# Altium PCB 主控板20160428.PcbDoc (part 3 of 4)
Units mm, origin at the board's own origin, x right, y up, seen from the top; angles counter-clockwise.
Board outline 105 x 80 mm, 4 copper layers (Top Layer, GND, VCC, Bottom Layer); 128 components, 190 nets, 667 pads, 283 vias.
Unrouted connection lines stored in the file: 2.
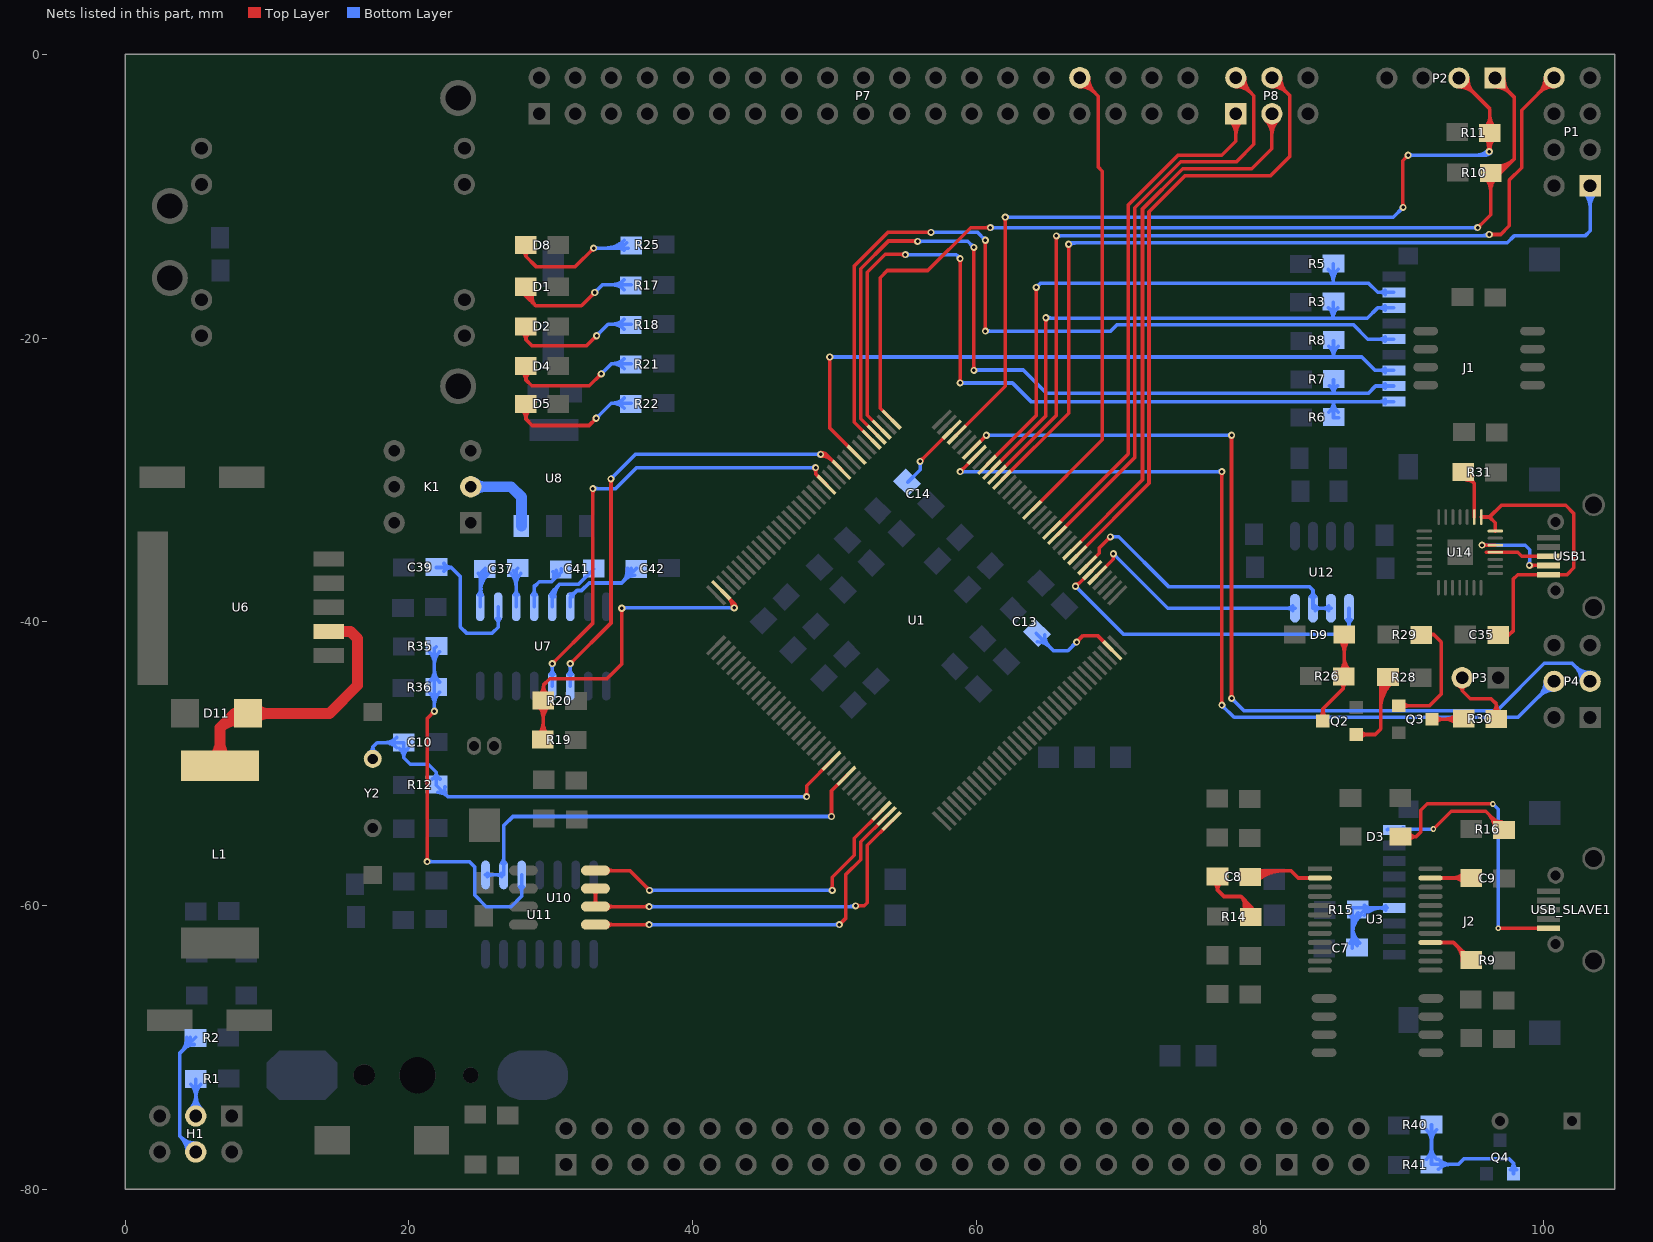
[diagram p5: the nets of this part, all layers, seen from the top]

## Via types
v1: diameter 0.5, hole 0.25, Top Layer to Bottom Layer, 178 vias
v2: diameter 0.6, hole 0.3, Top Layer to Bottom Layer, 54 vias
v3: diameter 1.27, hole 0.711, Top Layer to Bottom Layer, 20 vias
v4: diameter 0.8, hole 0.4, Top Layer to Bottom Layer, 14 vias
v5: diameter 0.406, hole 0.203, Top Layer to Bottom Layer, 12 vias
v6: diameter 1.2, hole 0.6, Top Layer to Bottom Layer, 3 vias
v7: diameter 0.5, hole 0.305, Top Layer to Bottom Layer, 1 vias
v8: diameter 1.5, hole 1, Top Layer to Bottom Layer, 1 vias

## Nets (pads, with @x,y where several pads share a name; then routed paths per layer and width w, separated by ;. In a path a pad name is that pad's centre, name@x,y a point inside that pad or via, vN(x,y) a via of type N, cw(c..) or ccw(c..) an arc to the next point about the centre after c; other vN are vias at no path point) (continued)
NetC7_1: C7.1 J2.4 R15.1 | length 14.9
  Bottom Layer w0.254: C7.1@86.306,-62.658 ccw(c85.868,-62.22) 86.487,-62.22 ; R15.1@86.356,-60.684 cw(c86.041,-61) 86.487,-61 ; C7.1@86.487,-62.992 86.487,-60.198 86.521,-60.164 J2.4@88.941,-60.164 ; 86.487,-62.103 cw(c88.494,-62.103) R15.1@87.075,-60.684 ; 86.487,-61.975 ccw(c87.707,-61.975) C7.1@86.844,-62.838 ; 86.487,-61.49 cw(c87.881,-61.49) R15.1@86.895,-60.505 ; 86.487,-61.362 ccw(c88.32,-61.362) C7.1@87.024,-62.658 ; R15.1@87.149,-60.505 cw(c87.971,-61.327) 87.971,-60.164 ; R15.1@87.329,-60.684 cw(c88.585,-61.94) 88.585,-60.164 ; R15.1@87.329,-59.966 ccw(c87.807,-59.487) 87.807,-60.164 ; J2.4@88.841,-60.322 ccw(c88.461,-60.702) 88.461,-60.164 ccw(c88.461,-59.626) J2.4@88.841,-60.006
NetC8_1: C8.1 U3.2 | length 9.8
  Top Layer w0.254: C8.1@79.273,-57.937 79.654,-57.556 82.183,-57.556 82.68,-58.054 U3.2@84.201,-58.054 ; C8.1@79.4,-57.937 cw(c80.32,-58.857) 80.32,-57.556 ; C8.1@79.58,-58.117 cw(c80.933,-59.47) 80.933,-57.556 ; C8.1@79.76,-58.297 cw(c81.547,-60.084) 81.547,-57.556
NetC8_2: C8.2 R14.1 | length 10.8
  Top Layer w0.254: C8.2@76.7,-58.356 cw(c76.325,-58.903) 76.987,-58.903 ; C8.2@76.987,-57.937 76.987,-58.903 ; C8.2@77.275,-58.356 ccw(c77.65,-58.903) 76.987,-58.903 ; R14.1@78.749,-60.475 ccw(c78.013,-59.985) 78.638,-59.36 ; 78.858,-59.579 cw(c78.276,-60.16) R14.1@78.96,-60.616 ; 79.077,-59.798 cw(c78.539,-60.335) R14.1@79.172,-60.757 ; R14.1@79.118,-60.282 ccw(c79.019,-60.02) 79.299,-60.02 ; 79.296,-60.017 cw(c78.802,-60.511) R14.1@79.383,-60.898 ; R14.1@79.299,-60.757 79.299,-60.02 ; R14.1@79.479,-60.282 cw(c79.579,-60.02) 79.299,-60.02 ; 76.987,-58.903 77.445,-59.36 78.638,-59.36 ; 78.638,-59.36 79.299,-60.02
NetC9_2: C9.2 U3.23 | length 5.3
  Top Layer w0.254: U3.23@92.001,-58.054 C9.2@94.854,-58.054 ; 93.479,-58.054 ccw(c93.479,-56.776) C9.2@94.383,-57.68 ; 93.552,-58.054 cw(c93.552,-59.229) C9.2@94.383,-58.398 ; 94.093,-58.054 ccw(c94.093,-57.39) C9.2@94.562,-57.859
NetC10_2: C10.2 R12.1 U1.24 Y2.1 | length 45.5
  Top Layer w0.254: v1@47.944,-52.237 ccw(c47.734,-52.027) 48.031,-52.027 ccw(c48.328,-52.027) v1@48.118,-52.237 ; v1(48.031,-52.324) 48.031,-51.543 U1.24@49.781,-49.794
  Bottom Layer w0.254: Y2.1@17.215,-49.207 ccw(c17.012,-48.819) 17.45,-48.819 ; Y2.1@17.45,-49.657 17.45,-48.819 ; Y2.1@17.685,-49.207 cw(c17.887,-48.819) 17.45,-48.819 ; C10.2@19.148,-48.873 ccw(c18.281,-49.74) 18.281,-48.514 ccw(c18.281,-47.288) C10.2@19.148,-48.155 ; C10.2@19.314,-48.908 cw(c18.768,-49.581) 19.634,-49.581 ; C10.2@19.954,-48.908 ccw(c20.5,-49.581) 19.634,-49.581 ; R12.1@21.652,-51.08 ccw(c21.351,-50.597) 21.92,-50.597 ; R12.1@22.047,-52.019 cw(c22.047,-52.939) 22.698,-52.289 ; R12.1@22.189,-51.08 cw(c22.489,-50.597) 21.92,-50.597 ; R12.1@22.54,-51.633 ccw(c23.249,-51.808) 22.733,-52.324 ; v1@47.944,-52.411 ccw(c47.734,-52.621) 47.734,-52.324 ccw(c47.734,-52.027) v1@47.944,-52.237 ; v1(48.031,-52.324) 22.733,-52.324 ; 17.45,-48.819 17.755,-48.514 C10.2@19.634,-48.514 19.634,-49.581 ; 19.634,-49.581 20.091,-50.038 21.361,-50.038 21.92,-50.597 ; 21.92,-50.597 21.92,-51.511 22.733,-52.324
NetC13_1: C13.1 U1.71 | length 9.6
  Top Layer w0.254: v1(67.056,-41.427) 67.513,-40.97 68.535,-40.97 U1.71@69.58,-42.016 ; v1@67.056,-41.304 ccw(c67.056,-41.007) 67.266,-41.217 ccw(c67.476,-41.427) v1@67.179,-41.427
  Bottom Layer w0.254: C13.1@64.211,-40.818 65.43,-42.037 66.446,-42.037 v1(67.056,-41.427) ; C13.1@64.301,-41.416 cw(c64.301,-42.642) 65.168,-41.775 cw(c66.035,-40.908) C13.1@64.809,-40.908 ; v1@66.933,-41.427 cw(c66.636,-41.427) 66.846,-41.637 cw(c67.056,-41.847) v1@67.056,-41.55
NetC14_1: C14.1 U1.106 | length 5.9
  Top Layer w0.254: v1(56.032,-28.693) U1.106@58.266,-26.459 ; v1@56.032,-28.57 ccw(c56.032,-28.273) 56.242,-28.483 ccw(c56.452,-28.693) v1@56.155,-28.693
  Bottom Layer w0.254: C14.1@55.169,-30.15 56.032,-29.286 v1(56.032,-28.693) ; v1@55.945,-28.78 cw(c55.735,-28.99) 56.032,-28.99 cw(c56.329,-28.99) v1@56.119,-28.78
NetC35_2: C35.2 U14.7 U14.8 USB1.1 | length 21.8
  Top Layer w0.254: U14.8@95.58,-32.614 96.164,-32.614 ; C35.2@96.52,-40.97 97.485,-40.97 97.845,-40.611 97.845,-36.973 98.143,-36.675 USB1.1@100.322,-36.675 101.628,-36.675 102.108,-36.195 102.108,-32.36 101.524,-31.775 97.003,-31.775 96.164,-32.614 ; U14.7@96.571,-33.601 96.571,-33.02 96.164,-32.614
NetC37_1: C37.1 U7.1 | length 7.2
  Bottom Layer w0.254: C37.1@24.888,-36.58 cw(c24.573,-36.895) C37.1@25.019,-36.895 ; U7.1@24.893,-38.101 ccw(c24.59,-37.798) 25.019,-37.798 ccw(c25.448,-37.798) U7.1@25.145,-38.101 ; U7.1@24.922,-38.078 ccw(c24.777,-37.854) 25.038,-37.91 ; U7.1@25.019,-38.938 25.019,-36.576 C37.1@25.375,-36.22 ; U7.1@25.019,-37.999 cw(c27.026,-37.999) C37.1@25.607,-36.58 ; 25.019,-37.386 cw(c26.413,-37.386) C37.1@25.427,-36.4 ; 25.086,-37.685 ccw(c25.665,-37.808) U7.1@25.168,-38.13
NetC37_2: C37.2 U7.3 | length 5.9
  Bottom Layer w0.254: C37.2@27.174,-36.58 cw(c26.246,-37.508) 27.559,-37.508 ; C37.2@27.354,-36.4 cw(c26.859,-36.895) 27.559,-36.895 ; U7.3@27.433,-38.101 ccw(c27.13,-37.798) 27.559,-37.798 ccw(c27.988,-37.798) U7.3@27.685,-38.101 ; U7.3@27.559,-38.938 27.559,-36.322 C37.2@27.661,-36.22 ; 27.559,-37.386 cw(c28.699,-37.386) C37.2@27.893,-36.58
NetC39_1: C39.1 U7.2 | length 11.9
  Bottom Layer w0.254: C39.1@21.92,-36.17 22.987,-36.17 ; C39.1@22.472,-36.448 cw(c22.987,-36.785) 22.987,-36.17 ; C39.1@22.472,-35.891 ccw(c22.987,-35.554) 22.987,-36.17 ; U7.2@26.163,-39.775 cw(c25.86,-40.079) 26.289,-40.079 cw(c26.718,-40.079) U7.2@26.415,-39.775 ; U7.2@26.289,-38.938 26.289,-40.386 25.883,-40.792 24.054,-40.792 23.622,-40.361 23.622,-36.805 22.987,-36.17
NetC41_1: C41.1 U7.4 | length 6.3
  Bottom Layer w0.254: U7.4@28.703,-38.101 ccw(c28.4,-37.798) 28.829,-37.798 ccw(c29.258,-37.798) U7.4@28.955,-38.101 ; U7.4@28.829,-38.938 28.829,-37.477 28.887,-37.477 29.179,-37.186 30.048,-37.186 ; C41.1@30.157,-36.481 cw(c29.622,-36.759) 30.048,-37.186 ; 30.293,-36.941 ccw(c29.944,-36.592) C41.1@30.382,-36.363 ; C41.1@30.39,-36.844 cw(c30.607,-37.06) C41.1@30.607,-36.754 ; C41.1@30.734,-36.246 30.734,-36.5 30.048,-37.186
NetC41_2: C41.2 U7.5 | length 6.7
  Bottom Layer w0.254: U7.5@29.992,-38.085 ccw(c29.832,-37.871) 30.099,-37.871 ; U7.5@30.023,-38.229 cw(c30.668,-38.215) 30.212,-37.759 ; U7.5@30.099,-38.938 30.099,-37.871 ; U7.5@30.206,-38.085 cw(c30.366,-37.871) 30.099,-37.871 ; U7.5@30.277,-38.223 cw(c31.492,-38.197) 30.632,-37.338 ; C41.2@33.02,-36.246 33.02,-36.297 31.979,-37.338 30.632,-37.338 ; 30.099,-37.871 30.632,-37.338
NetC42_1: C42.1 U7.6 | length 9.4
  Bottom Layer w0.254: U7.6@31.369,-38.938 31.369,-38.278 31.852,-37.795 32.168,-37.795 32.701,-37.262 35.001,-37.262 ; U7.6@31.369,-38.049 ccw(c31.369,-37.497) 31.759,-37.888 ; U7.6@31.547,-38.227 cw(c31.853,-38.227) 31.637,-38.01 ; 35.265,-36.998 cw(c35.916,-37.648) C42.1@35.916,-36.728 ; C42.1@35.408,-36.236 cw(c34.018,-36.279) 35.001,-37.262 ; C42.1@35.417,-36.846 ccw(c34.824,-36.254) C42.1@35.662,-36.228 ; C42.1@36.043,-36.22 35.001,-37.262
NetD1_1: D1.1 R17.1 | length 16.4
  Top Layer w0.254: D1.1@28.115,-16.874 cw(c28.07,-17.043) 28.245,-17.043 ; D1.1@28.156,-16.25 ccw(c28.707,-16.59) 28.249,-17.048 ; D1.1@28.245,-16.383 28.245,-17.043 ; D1.1@28.372,-16.383 ccw(c28.988,-16.763) 28.476,-17.275 ; D1.1@28.375,-16.874 ccw(c28.42,-17.043) 28.245,-17.043 ; D1.1@28.588,-16.516 ccw(c29.269,-16.936) 28.703,-17.502 ; D1.1@28.804,-16.65 ccw(c29.55,-17.109) 28.931,-17.729 ; v1@32.973,-16.789 cw(c32.676,-16.789) 32.886,-16.999 cw(c33.096,-17.209) v1@33.096,-16.912 ; v1(33.096,-16.789) 32.156,-17.729 28.931,-17.729 ; 28.245,-17.043 28.931,-17.729
  Bottom Layer w0.254: v1(33.096,-16.789) 33.642,-16.243 R17.1@35.662,-16.243 ; v1@33.096,-16.666 ccw(c33.096,-16.369) 33.306,-16.579 ccw(c33.516,-16.789) v1@33.219,-16.789 ; R17.1@35.175,-16.603 ccw(c34.308,-17.47) 34.308,-16.243 ccw(c34.308,-15.017) R17.1@35.175,-15.884
NetD2_1: D2.1 R18.1 | length 13.2
  Top Layer w0.254: D2.1@27.967,-19.602 cw(c27.63,-20.117) 28.245,-20.117 ; D2.1@28.245,-19.177 28.245,-20.117 ; D2.1@28.523,-19.602 ccw(c28.86,-20.117) 28.245,-20.117 ; v1@33.1,-19.837 cw(c32.803,-19.837) 33.013,-20.047 cw(c33.223,-20.257) v1@33.223,-19.96 ; v1(33.223,-19.837) 32.512,-20.549 28.677,-20.549 28.245,-20.117
  Bottom Layer w0.254: v1(33.223,-19.837) 34.036,-19.025 R18.1@35.662,-19.025 ; v1@33.223,-19.714 ccw(c33.223,-19.417) 33.433,-19.627 ccw(c33.643,-19.837) v1@33.346,-19.837 ; R18.1@35.175,-19.384 ccw(c34.308,-20.251) 34.308,-19.025 ccw(c34.308,-17.798) R18.1@35.175,-18.665
NetD3_1: D3.1 USB_SLAVE1.1 | length 22.1
  Top Layer w0.254: D3.1@89.891,-55.143 90.983,-55.143 ; D3.1@90.436,-55.431 cw(c90.983,-55.806) 90.983,-55.143 ; D3.1@90.436,-54.856 ccw(c90.983,-54.481) 90.983,-55.143 ; v5(96.393,-52.832) 91.77,-52.832 91.313,-53.289 91.313,-54.813 90.983,-55.143 ; v5(96.774,-61.595) 96.777,-61.592 USB_SLAVE1.1@100.322,-61.592
  Bottom Layer w0.254: v5(96.393,-52.832) 96.774,-53.213 v5(96.774,-61.595)
NetD4_1: D4.1 R21.1 | length 13.4
  Top Layer w0.254: D4.1@27.948,-22.384 cw(c27.533,-22.962) 28.245,-22.962 ; D4.1@28.245,-21.971 28.245,-22.962 ; D4.1@28.541,-22.384 ccw(c28.957,-22.962) 28.245,-22.962 ; v1@33.43,-22.53 cw(c33.133,-22.53) 33.343,-22.74 cw(c33.553,-22.95) v1@33.553,-22.653 ; v1(33.553,-22.53) 32.715,-23.368 28.651,-23.368 28.245,-22.962
  Bottom Layer w0.254: v1(33.553,-22.53) 34.277,-21.806 R21.1@35.662,-21.806 ; v1@33.553,-22.407 ccw(c33.553,-22.11) 33.763,-22.32 ccw(c33.973,-22.53) v1@33.676,-22.53 ; R21.1@35.175,-22.165 ccw(c34.308,-23.032) 34.308,-21.806 ccw(c34.308,-20.579) R21.1@35.175,-21.447
NetD5_1: D5.1 R22.1 | length 13.7
  Top Layer w0.254: D5.1@27.925,-25.032 cw(c27.379,-25.705) 28.245,-25.705 ; D5.1@28.245,-24.638 28.245,-25.705 ; D5.1@28.565,-25.032 ccw(c29.111,-25.705) 28.245,-25.705 ; v1@33.075,-25.654 cw(c32.778,-25.654) 32.988,-25.864 cw(c33.198,-26.074) v1@33.198,-25.777 ; v1(33.198,-25.654) 32.69,-26.162 28.702,-26.162 28.245,-25.705
  Bottom Layer w0.254: v1(33.198,-25.654) 34.265,-24.587 R22.1@35.662,-24.587 ; v1@33.198,-25.531 ccw(c33.198,-25.234) 33.408,-25.444 ccw(c33.618,-25.654) v1@33.321,-25.654 ; R22.1@35.175,-24.946 ccw(c34.308,-25.814) 34.308,-24.587 ccw(c34.308,-23.361) R22.1@35.175,-24.228
NetD8_1: D8.1 R25.2 | length 13.5
  Top Layer w0.254: D8.1@28.028,-13.918 cw(c27.882,-14.241) 28.237,-14.241 ; D8.1@28.237,-13.455 28.237,-14.242 ; D8.1@28.446,-13.918 ccw(c28.591,-14.241) 28.237,-14.241 ; v1@32.897,-13.665 cw(c32.6,-13.665) 32.81,-13.875 cw(c33.02,-14.085) v1@33.02,-13.788 ; v1(33.02,-13.665) 31.725,-14.961 28.956,-14.961 28.237,-14.242
  Bottom Layer w0.254: v1(33.02,-13.665) R25.2@35.458,-13.665 ; v1@33.107,-13.752 cw(c33.317,-13.962) 33.317,-13.665 cw(c33.317,-13.368) v1@33.107,-13.578 ; 33.818,-13.665 ccw(c33.818,-11.745) R25.2@35.175,-13.103 ; 34.431,-13.665 ccw(c34.431,-12.358) R25.2@35.355,-13.282 ; 34.799,-13.665 cw(c34.799,-14.198) R25.2@35.175,-13.821
NetD9_2: D9.2 Q2.3 R26.1 | length 13.4
  Top Layer w0.254: Q2.3@84.195,-46.762 ccw(c83.643,-46.21) 84.423,-46.21 ccw(c85.203,-46.21) Q2.3@84.651,-46.762 ; Q2.3@84.423,-46.99 84.423,-46.133 85.852,-44.704 ; D9.2@85.564,-41.253 cw(c84.697,-42.12) 85.923,-42.12 cw(c87.149,-42.12) D9.2@86.282,-41.253 ; R26.1@85.594,-44.253 cw(c85.328,-44.704) 85.852,-44.704 ; R26.1@85.62,-43.456 ccw(c84.888,-42.724) 85.923,-42.724 ; R26.1@85.852,-43.815 85.852,-44.704 ; R26.1@85.923,-43.744 D9.2@85.923,-40.894 ; 85.923,-43.067 ccw(c86.727,-43.067) R26.1@86.159,-43.635 ; 85.923,-42.453 ccw(c87.341,-42.453) R26.1@86.338,-43.456 ; R26.1@86.11,-44.253 ccw(c86.376,-44.704) 85.852,-44.704
NetD11_1: D11.1 L1.1 U6.2 | length 27.3
  Top Layer w0.762: L1.1@6.188,-49.645 ccw(c4.994,-48.452) 6.682,-48.452 ccw(c8.369,-48.452) L1.1@7.176,-49.645 ; L1.1@6.682,-50.14 6.682,-47.471 ; 7.558,-46.595 cw(c8.355,-47.391) D11.1@8.706,-46.321 ; D11.1@8.468,-47.045 ccw(c7.922,-48.711) 6.682,-47.471 ; D11.1@9.099,-46.894 cw(c10.156,-47.951) 10.156,-46.457 cw(c10.156,-44.962) D11.1@9.099,-46.019 ; U6.2@14.343,-40.679 15.888,-40.679 16.383,-41.173 16.383,-44.475 14.402,-46.457 D11.1@8.661,-46.457 7.696,-46.457 6.682,-47.471
NetH1_3: H1.3 R1.2 | length 8.3
  Bottom Layer w0.254: H1.3@4.538,-74.388 ccw(c3.474,-73.324) 4.978,-73.324 ccw(c6.482,-73.324) H1.3@5.419,-74.388 ; R1.2@4.619,-72.597 cw(c3.752,-73.464) 4.978,-73.464 cw(c6.205,-73.464) R1.2@5.338,-72.597 ; H1.3@4.717,-74.567 ccw(c4.088,-73.938) 4.978,-73.938 ccw(c5.869,-73.938) H1.3@5.239,-74.567 ; H1.3@4.978,-74.828 R1.2@4.978,-72.238
NetH1_4: H1.4 R2.1 | length 15.4
  Bottom Layer w0.254: 3.894,-70.369 ccw(c2.81,-69.285) R2.1@4.343,-69.285 ; 4.201,-70.062 cw(c4.851,-70.713) R2.1@4.851,-69.793 ; R2.1@4.328,-69.935 ccw(c3.678,-69.285) R2.1@4.597,-69.285 ; H1.4@4.355,-77.368 ccw(c2.851,-77.368) 3.915,-76.305 ccw(c4.978,-75.241) H1.4@4.978,-76.745 ; H1.4@4.609,-77.368 ccw(c3.719,-77.368) 4.348,-76.738 ccw(c4.978,-76.109) H1.4@4.978,-76.999 ; H1.4@4.978,-77.368 3.835,-76.225 3.835,-70.428 R2.1@4.978,-69.285
NetJ2_9: J2.9 R16.1 | length 12.8
  Top Layer w0.254: v5(92.202,-54.61) 93.472,-53.34 95.885,-53.34 R16.1@97.155,-54.61 ; 96.071,-53.526 cw(c94.987,-54.61) R16.1@96.52,-54.61 ; 96.378,-53.833 ccw(c97.028,-53.182) R16.1@97.028,-54.102 ; 96.505,-53.96 cw(c95.854,-54.61) R16.1@96.774,-54.61
  Bottom Layer w0.254: J2.9@88.941,-54.664 88.995,-54.61 v5(92.202,-54.61) ; J2.9@90.057,-54.822 cw(c90.568,-55.333) 90.568,-54.61 ; J2.9@90.057,-54.506 ccw(c90.307,-54.256) 90.307,-54.61
NetK1_2: K1.2 U8.3 | length 7.3
  Bottom Layer w0.762: K1.2@24.359,-30.48 27.203,-30.48 27.926,-31.203 U8.3@27.926,-33.245 ; K1.2@24.62,-30.741 cw(c25.249,-31.371) 25.249,-30.48 cw(c25.249,-29.589) K1.2@24.62,-30.219
NetP3_2: P3.2 R30.2 | length 7.2
  Top Layer w0.254: P3.2@94.006,-44.522 cw(c93.875,-44.856) 94.234,-44.856 ; P3.2@94.234,-43.942 94.234,-44.856 ; P3.2@94.462,-44.522 ccw(c94.593,-44.856) 94.234,-44.856 ; R30.2@96.327,-46.469 ccw(c95.781,-45.796) 96.647,-45.796 ; R30.2@96.647,-46.863 96.647,-45.796 ; R30.2@96.967,-46.469 cw(c97.513,-45.796) 96.647,-45.796 ; 94.234,-44.856 94.793,-45.415 96.266,-45.415 96.647,-45.796
NetQ2_2: Q2.2 R28.1 | length 11.6
  Top Layer w0.254: Q2.2@86.773,-47.94 88.102,-47.94 88.494,-47.549 88.494,-44.475 R28.1@89.027,-43.942 ; Q2.2@87.026,-48.168 cw(c87.578,-48.72) 87.578,-47.94 cw(c87.578,-47.16) Q2.2@87.026,-47.712 ; 88.494,-46.15 cw(c91.108,-46.15) R28.1@89.259,-44.301 ; 88.494,-45.536 cw(c90.494,-45.536) R28.1@89.08,-44.122 ; 88.494,-44.923 cw(c89.881,-44.923) R28.1@88.9,-43.942
NetQ3_2: Q3.2 R29.1 | length 10.7
  Top Layer w0.254: Q3.2@89.757,-45.913 91.933,-45.913 92.761,-45.085 92.761,-41.427 92.227,-40.894 ; Q3.2@90.01,-46.141 cw(c90.562,-46.693) 90.562,-45.913 cw(c90.562,-45.133) Q3.2@90.01,-45.685 ; R29.1@91.313,-40.894 92.227,-40.894 ; R29.1@91.903,-41.103 cw(c92.227,-41.25) 92.227,-40.894 ; R29.1@91.903,-40.685 ccw(c92.227,-40.538) 92.227,-40.894
NetQ3_3: Q3.3 R30.1 | length 5.4
  Top Layer w0.254: Q3.3@92.107,-46.863 R30.1@94.361,-46.863 ; Q3.3@92.36,-47.091 cw(c92.912,-47.643) 92.912,-46.863 cw(c92.912,-46.083) Q3.3@92.36,-46.635 ; R30.1@93.875,-47.222 ccw(c93.008,-48.089) 93.008,-46.863 ccw(c93.008,-45.637) R30.1@93.875,-46.504
NetQ4_2: Q4.2 R40.2 R41.2 | length 16.4
  Bottom Layer w0.254: R41.2@91.716,-77.873 ccw(c90.849,-77.006) 92.075,-77.006 ccw(c93.301,-77.006) R41.2@92.434,-77.873 ; R40.2@91.716,-75.797 cw(c90.849,-76.664) 92.075,-76.664 cw(c93.301,-76.664) R40.2@92.434,-75.797 ; R40.2@92.075,-75.438 R41.2@92.075,-78.232 93.98,-78.232 94.361,-77.851 97.536,-77.851 97.851,-78.166 ; R41.2@92.561,-78.591 cw(c93.428,-79.458) 93.428,-78.232 cw(c93.428,-77.006) R41.2@92.561,-77.873 ; Q4.2@97.639,-78.63 ccw(c97.237,-78.166) 97.851,-78.166 ; Q4.2@97.851,-78.899 97.851,-78.166 ; Q4.2@98.063,-78.63 cw(c98.465,-78.166) 97.851,-78.166
NetR9_1: R9.1 U3.16 | length 6.1
  Top Layer w0.254: U3.16@92.001,-62.604 93.617,-62.604 R9.1@94.894,-63.881 ; 93.81,-62.797 cw(c92.726,-63.881) R9.1@94.259,-63.881 ; 94.117,-63.104 ccw(c94.767,-62.453) R9.1@94.767,-63.373 ; R9.1@94.244,-63.231 cw(c93.594,-63.881) R9.1@94.513,-63.881
NetR19_1: R19.1 R20.1 U1.143 | length 32.7
  Top Layer w0.254: R19.1@29.105,-47.977 ccw(c28.238,-47.11) 29.464,-47.11 ccw(c30.69,-47.11) R19.1@29.823,-47.977 ; R20.1@29.13,-45.952 cw(c28.324,-46.758) 29.464,-46.758 ; R20.1@29.149,-45.216 ccw(c28.458,-44.45) 29.489,-44.45 ; R19.1@29.464,-48.336 R20.1@29.464,-45.364 ; 29.464,-46.881 cw(c30.777,-46.881) R20.1@29.849,-45.952 ; 29.464,-46.268 cw(c30.164,-46.268) R20.1@29.669,-45.773 ; R20.1@29.489,-45.593 29.489,-44.45 ; R20.1@29.83,-45.216 cw(c30.521,-44.45) 29.489,-44.45 ; v1@34.914,-39.127 cw(c34.704,-39.337) 35.001,-39.337 cw(c35.298,-39.337) v1@35.088,-39.127 ; v1(35.001,-39.04) 35.001,-42.52 35.001,-42.977 33.96,-44.018 29.921,-44.018 29.489,-44.45 ; U1.143@42.003,-37.773 42.926,-38.696 v1(42.926,-39.014) ; U1.143@42.491,-38.261 cw(c41.738,-39.014) v1@42.803,-39.014 ; v1@42.839,-38.927 ccw(c42.629,-38.717) 42.926,-38.717 ccw(c43.223,-38.717) v1@43.013,-38.927 ; 42.925,-38.695 cw(c42.605,-39.014) v1@43.057,-39.014
  Bottom Layer w0.254: v1@35.001,-39.014 v1(42.926,-39.014) ; v1@35.088,-39.127 cw(c35.359,-39.398) 35.359,-39.014 ; v1@42.839,-39.101 ccw(c42.629,-39.311) 42.629,-39.014 ccw(c42.629,-38.717) v1@42.839,-38.927
NetR31_1: R31.1 U14.9 | length 4.7
  Top Layer w0.254: R31.1@94.336,-29.489 95.08,-30.234 ; R31.1@94.48,-29.997 cw(c94.507,-30.807) 95.08,-30.234 ; R31.1@94.944,-29.652 ccw(c95.481,-29.833) 95.08,-30.234 ; U14.9@95.08,-32.614 95.08,-30.234
NetR35_1: R35.1 R36.2 U11.3 | length 34.7
  Top Layer w0.254: v1@21.198,-56.809 ccw(c20.988,-56.599) 21.285,-56.599 ccw(c21.582,-56.599) v1@21.372,-56.809 ; v1(21.285,-56.896) 21.285,-46.812 v1(21.793,-46.304) ; v1@21.67,-46.304 cw(c21.373,-46.304) 21.583,-46.514 cw(c21.793,-46.724) v1@21.793,-46.427
  Bottom Layer w0.254: v1(21.285,-56.896) 24.257,-56.896 24.638,-57.277 24.638,-59.258 25.451,-60.071 27.203,-60.071 27.94,-59.334 U11.3@27.94,-57.836 ; v1@21.372,-56.983 cw(c21.582,-57.193) 21.582,-56.896 cw(c21.582,-56.599) v1@21.372,-56.809 ; R36.2@21.434,-44.962 cw(c20.567,-45.829) 21.793,-45.829 cw(c23.02,-45.829) R36.2@22.152,-44.962 ; R36.2@21.434,-44.243 ccw(c20.567,-43.376) 21.793,-43.376 ccw(c23.02,-43.376) R36.2@22.152,-44.243 ; R35.1@21.434,-42.108 cw(c20.567,-42.976) 21.793,-42.976 cw(c23.02,-42.976) R35.1@22.152,-42.108 ; v1@21.706,-46.217 ccw(c21.496,-46.007) 21.793,-46.007 ccw(c22.09,-46.007) v1@21.88,-46.217 ; v1(21.793,-46.304) 21.793,-41.876 R35.1@21.92,-41.749 ; U11.3@27.814,-58.673 cw(c27.511,-58.976) 27.94,-58.976 cw(c28.369,-58.976) U11.3@28.066,-58.673
NetU14_4: U14.4 USB1.3 | length 4.4
  Top Layer w0.254: 95.945,-35.101 U14.4@96.571,-35.101 98.144,-35.101 98.425,-35.382 ; 98.483,-35.375 USB1.3@100.322,-35.375
NetU14_5: U14.5 USB1.2 | length 8.7
  Top Layer w0.254: v1(95.631,-34.595) 95.638,-34.601 U14.5@96.571,-34.601 ; v1@95.718,-34.682 cw(c95.912,-34.876) 95.912,-34.601 ; v1@95.718,-34.508 ccw(c95.944,-34.282) 95.944,-34.601 ; v1(98.976,-36.025) USB1.2@100.322,-36.025 ; v1@99.063,-36.112 cw(c99.273,-36.322) 99.273,-36.025 cw(c99.273,-35.728) v1@99.063,-35.938
  Bottom Layer w0.254: v1(95.631,-34.595) 98.679,-34.595 99.005,-34.921 v1@99.005,-35.996 ; v1@95.718,-34.682 cw(c95.928,-34.892) 95.928,-34.595 cw(c95.928,-34.298) v1@95.718,-34.508 ; v1@98.889,-35.938 ccw(c98.608,-35.658) 99.005,-35.658 ; v1(98.976,-36.025) v1@99.005,-35.996 ; v1@99.063,-35.938 v1@99.005,-35.996
PA0_RS485_TX1: U1.34 U10.4 | length 27
  Top Layer w0.254: U10.4@33.147,-57.531 35.56,-57.531 v1(36.957,-58.928) ; U10.4@33.969,-57.693 cw(c34.359,-58.083) 34.359,-57.531 cw(c34.359,-56.979) U10.4@33.969,-57.369 ; v1@36.834,-58.928 ccw(c36.537,-58.928) 36.747,-58.718 ccw(c36.957,-58.508) v1@36.957,-58.805 ; v1@49.748,-58.841 ccw(c49.538,-58.631) 49.835,-58.631 ccw(c50.132,-58.631) v1@49.922,-58.841 ; v1(49.835,-58.928) 49.835,-58 51.392,-56.442 51.392,-55.253 U1.34@53.316,-53.329
  Bottom Layer w0.254: v1(36.957,-58.928) v1(49.835,-58.928) ; v1@37.044,-59.015 cw(c37.254,-59.225) 37.254,-58.928 cw(c37.254,-58.631) v1@37.044,-58.841 ; v1@49.748,-59.015 ccw(c49.538,-59.225) 49.538,-58.928 ccw(c49.538,-58.631) v1@49.748,-58.841
PA1_RS485_RX1: U1.35 U10.1 | length 29
  Top Layer w0.254: U10.1@33.147,-61.341 v1(36.932,-61.341) ; U10.1@33.969,-61.503 cw(c34.359,-61.893) 34.359,-61.341 cw(c34.359,-60.789) U10.1@33.969,-61.179 ; v1@36.845,-61.428 ccw(c36.635,-61.638) 36.635,-61.341 ccw(c36.635,-61.044) v1@36.845,-61.254 ; v1(50.343,-61.341) 50.775,-60.909 50.775,-57.836 51.85,-56.761 51.85,-55.503 U1.35@53.67,-53.683 ; v1@50.343,-61.218 ccw(c50.343,-60.921) 50.553,-61.131 ccw(c50.763,-61.341) v1@50.466,-61.341
  Bottom Layer w0.254: v1(36.932,-61.341) v1(50.343,-61.341) ; v1@37.019,-61.428 cw(c37.229,-61.638) 37.229,-61.341 cw(c37.229,-61.044) v1@37.019,-61.254 ; v1@50.256,-61.428 ccw(c50.046,-61.638) 50.046,-61.341 ccw(c50.046,-61.044) v1@50.256,-61.254
PA2_RS485_RE1: U1.36 U10.2 U10.3 | length 31.4
  Top Layer w0.254: U10.2@32.985,-59.909 ccw(c32.595,-59.519) 33.147,-59.519 ccw(c33.699,-59.519) U10.2@33.309,-59.909 ; U10.3@32.985,-58.963 cw(c32.595,-59.353) 33.147,-59.353 cw(c33.699,-59.353) U10.3@33.309,-58.963 ; U10.3@33.147,-58.801 U10.2@33.147,-60.071 v1(36.932,-60.071) ; U10.2@33.969,-60.233 cw(c34.359,-60.623) 34.359,-60.071 cw(c34.359,-59.519) U10.2@33.969,-59.909 ; v1@36.845,-60.158 ccw(c36.635,-60.368) 36.635,-60.071 ccw(c36.635,-59.774) v1@36.845,-59.984 ; v1(51.486,-60.02) 52.095,-60.02 52.307,-59.809 52.307,-55.753 U1.36@54.024,-54.036 ; v1@51.573,-60.107 cw(c51.783,-60.317) 51.783,-60.02 cw(c51.783,-59.723) v1@51.573,-59.933
  Bottom Layer w0.254: v1(36.932,-60.071) 51.435,-60.071 v1(51.486,-60.02) ; v1@37.019,-60.158 cw(c37.229,-60.368) 37.229,-60.071 cw(c37.229,-59.774) v1@37.019,-59.984 ; 51.066,-60.071 ccw(c51.066,-59.601) v1@51.399,-59.933
PA9_U1_TX: P4.4 U1.101 | length 68
  Top Layer w0.254: v1(58.848,-29.413) U1.101@60.034,-28.227 ; v1@58.848,-29.29 ccw(c58.848,-28.993) 59.058,-29.203 ccw(c59.268,-29.413) v1@58.971,-29.413 ; v1@77.205,-45.785 ccw(c76.995,-45.575) 77.292,-45.575 ccw(c77.589,-45.575) v1@77.379,-45.785 ; v1@77.205,-29.5 cw(c76.995,-29.71) 77.292,-29.71 cw(c77.589,-29.71) v1@77.379,-29.5 ; v1(77.292,-45.872) v1(77.292,-29.413)
  Bottom Layer w0.254: v1(58.848,-29.413) v1(77.292,-29.413) ; v1@58.935,-29.5 cw(c59.145,-29.71) 59.145,-29.413 cw(c59.145,-29.116) v1@58.935,-29.326 ; v1@77.205,-29.5 ccw(c76.995,-29.71) 76.995,-29.413 ccw(c76.995,-29.116) v1@77.205,-29.326 ; v1@77.292,-45.995 cw(c77.292,-46.292) 77.502,-46.082 cw(c77.712,-45.872) v1@77.415,-45.872 ; v1(77.292,-45.872) 78.156,-46.736 98.171,-46.736 P4.4@100.711,-44.196 ; P4.4@100.088,-44.196 cw(c98.584,-44.196) 99.647,-45.26 cw(c100.711,-46.323) P4.4@100.711,-44.819 ; P4.4@100.342,-44.196 cw(c99.451,-44.196) 100.081,-44.826 cw(c100.711,-45.456) P4.4@100.711,-44.565
PA10_U1_RX: P4.3 U1.102 | length 71.4
  Top Layer w0.254: U1.102@59.68,-27.873 v1(60.706,-26.848) ; v1@60.583,-26.848 cw(c60.286,-26.848) 60.496,-27.058 cw(c60.706,-27.268) v1@60.706,-26.971 ; v1@77.891,-45.303 ccw(c77.681,-45.093) 77.978,-45.093 ccw(c78.275,-45.093) v1@78.065,-45.303 ; v1@77.891,-26.935 cw(c77.681,-27.145) 77.978,-27.145 cw(c78.275,-27.145) v1@78.065,-26.935 ; v1@77.978,-45.364 v1(77.978,-26.848)
  Bottom Layer w0.254: v1(60.706,-26.848) v1(77.978,-26.848) ; v1@60.793,-26.935 cw(c61.003,-27.145) 61.003,-26.848 cw(c61.003,-26.551) v1@60.793,-26.761 ; v1@77.891,-26.935 ccw(c77.681,-27.145) 77.681,-26.848 ccw(c77.681,-26.551) v1@77.891,-26.761 ; v1@77.978,-45.513 cw(c77.978,-45.81) 78.188,-45.6 cw(c78.398,-45.39) v1@78.101,-45.39 ; v1(77.978,-45.39) 78.867,-46.279 96.672,-46.279 100.025,-42.926 101.981,-42.926 P4.3@103.251,-44.196 ; P4.3@102.628,-44.196 ccw(c101.124,-44.196) 102.187,-43.132 ccw(c103.251,-42.069) P4.3@103.251,-43.573 ; P4.3@102.882,-44.196 ccw(c101.991,-44.196) 102.621,-43.566 ccw(c103.251,-42.936) P4.3@103.251,-43.827
PA13-JTMS: P2.2 R11.2 U1.105 | length 74.8
  Top Layer w0.254: U1.105@58.62,-26.813 62.027,-23.406 v1@62.027,-11.455 ; v1@61.94,-11.568 cw(c61.73,-11.778) 62.027,-11.778 cw(c62.324,-11.778) v1@62.114,-11.568 ; v1@90.043,-10.795 90.043,-7.493 v1(90.424,-7.112) ; 90.043,-10.437 ccw(c90.427,-10.437) v1@90.155,-10.708 ; v1@90.301,-7.112 cw(c90.004,-7.112) 90.214,-7.322 cw(c90.424,-7.532) v1@90.424,-7.235 ; P2.2@94.005,-2.299 cw(c94.005,-3.803) 95.069,-2.74 cw(c96.132,-1.676) P2.2@94.628,-1.676 ; P2.2@94.005,-2.045 cw(c94.005,-2.936) 94.635,-2.306 cw(c95.265,-1.676) P2.2@94.374,-1.676 ; P2.2@94.005,-1.676 96.19,-3.861 R11.2@96.19,-5.537 96.139,-5.588 v1(96.139,-6.858) ; R11.2@95.831,-5.896 cw(c95.086,-6.641) v1@96.139,-6.641 ; R11.2@95.831,-5.178 ccw(c94.963,-4.311) 96.19,-4.311 ccw(c97.416,-4.311) R11.2@96.549,-5.178 ; v1@96.032,-6.796 ccw(c95.609,-6.552) 96.081,-6.426 ; v1@96.052,-6.771 ccw(c95.842,-6.561) 96.139,-6.561 ccw(c96.436,-6.561) v1@96.226,-6.771 ; v1@96.078,-6.751 ccw(c95.929,-6.494) 96.216,-6.571 ; v1(96.139,-6.858) cw(c97.473,-6.859) R11.2@96.544,-5.902 ; 96.139,-6.258 cw(c96.89,-6.258) R11.2@96.367,-5.719 ; 96.216,-6.572 ccw(c96.502,-6.648) v1@96.246,-6.796
  Bottom Layer w0.254: v1(62.027,-11.481) 89.383,-11.481 v1(90.068,-10.795) ; v1@62.114,-11.568 cw(c62.324,-11.778) 62.324,-11.481 cw(c62.324,-11.184) v1@62.114,-11.394 ; v1@89.945,-10.795 cw(c89.648,-10.795) 89.858,-11.005 cw(c90.068,-11.215) v1@90.068,-10.918 ; v1(90.424,-7.112) 95.885,-7.112 v1(96.139,-6.858) ; v1@90.511,-7.199 cw(c90.721,-7.409) 90.721,-7.112 cw(c90.721,-6.815) v1@90.511,-7.025 ; 95.229,-7.112 ccw(c95.229,-5.948) v1@96.052,-6.771 ; 95.842,-7.112 ccw(c95.842,-6.561) v1@96.232,-6.951 ; v1@96.016,-6.858 cw(c95.719,-6.858) 95.929,-7.068 cw(c96.139,-7.278) v1@96.139,-6.981
PA14-JTCK: P2.1 R10.2 U1.109 | length 77.8
  Top Layer w0.254: U1.109@54.024,-25.752 53.213,-24.941 53.213,-15.748 53.721,-15.24 56.577,-15.24 59.6,-12.217 v1(60.985,-12.217) ; v1@60.898,-12.304 ccw(c60.688,-12.514) 60.688,-12.217 ccw(c60.688,-11.92) v1@60.898,-12.13 ; v1(95.326,-12.217) 96.241,-11.303 R10.2@96.241,-8.382 96.901,-8.382 97.917,-7.366 ; v1@95.326,-12.094 ccw(c95.326,-11.797) 95.536,-12.007 ccw(c95.746,-12.217) v1@95.449,-12.217 ; R10.2@95.881,-8.741 cw(c95.014,-9.608) 96.241,-9.608 cw(c97.467,-9.608) R10.2@96.6,-8.741 ; R10.2@96.368,-8.382 ccw(c96.487,-7.409) 97.181,-8.102 ; R10.2@96.399,-8.13 ccw(c96.568,-6.753) 97.549,-7.734 ; R10.2@96.43,-7.878 ccw(c96.649,-6.098) 97.917,-7.366 ; P2.1@96.545,-2.299 cw(c96.545,-3.803) 97.609,-2.74 cw(c98.672,-1.676) P2.1@97.168,-1.676 ; P2.1@96.545,-2.045 cw(c96.545,-2.936) 97.175,-2.306 cw(c97.805,-1.676) P2.1@96.914,-1.676 ; P2.1@96.545,-1.676 97.917,-3.048 97.917,-7.366
  Bottom Layer w0.254: v1(60.985,-12.217) v1(95.326,-12.217) ; v1@61.072,-12.304 cw(c61.282,-12.514) 61.282,-12.217 cw(c61.282,-11.92) v1@61.072,-12.13 ; v1@95.239,-12.304 ccw(c95.029,-12.514) 95.029,-12.217 ccw(c95.029,-11.92) v1@95.239,-12.13
PC6_U6_TX: P1.1 U1.96 | length 63.1
  Top Layer w0.254: U1.96@61.802,-29.995 66.497,-25.299 v1(66.497,-13.386) ; v1@66.41,-13.473 cw(c66.2,-13.683) 66.497,-13.683 cw(c66.794,-13.683) v1@66.584,-13.473
  Bottom Layer w0.254: v1(66.497,-13.386) 66.592,-13.291 97.402,-13.291 97.892,-12.802 102.895,-12.802 103.251,-12.446 P1.1@103.251,-9.779 ; v1@66.584,-13.473 cw(c67.023,-13.912) 67.023,-13.291 ; P1.1@102.81,-9.712 cw(c101.747,-10.775) 103.251,-10.775 cw(c104.755,-10.775) P1.1@103.692,-9.712 ; P1.1@102.99,-9.532 cw(c102.36,-10.162) 103.251,-10.162 cw(c104.142,-10.162) P1.1@103.512,-9.532
PC7_U6_RX: P1.8 U1.97 | length 68.2
  Top Layer w0.254: U1.97@61.448,-29.641 65.634,-25.456 v1(65.634,-12.802) ; v1@65.547,-12.889 cw(c65.337,-13.099) 65.634,-13.099 cw(c65.931,-13.099) v1@65.721,-12.889 ; v1(96.139,-12.7) 96.952,-12.7 97.561,-12.09 97.561,-8.865 98.425,-8.001 98.425,-3.937 P1.8@100.711,-1.651 ; v1@96.226,-12.787 cw(c96.436,-12.997) 96.436,-12.7 cw(c96.436,-12.403) v1@96.226,-12.613 ; P1.8@100.088,-1.651 cw(c98.584,-1.651) 99.647,-2.715 cw(c100.711,-3.778) P1.8@100.711,-2.274 ; P1.8@100.342,-1.651 cw(c99.451,-1.651) 100.081,-2.281 cw(c100.711,-2.911) P1.8@100.711,-2.02
  Bottom Layer w0.254: v1(65.634,-12.802) v1@96.139,-12.802 ; v1@65.721,-12.889 cw(c65.931,-13.099) 65.931,-12.802 cw(c65.931,-12.505) v1@65.721,-12.715 ; 95.597,-12.802 ccw(c95.597,-12.158) v1@96.052,-12.613
PC8_SDIO_0: J1.7 R3.1 U1.98 | length 41.5
  Top Layer w0.254: U1.98@61.095,-29.288 64.897,-25.485 v1(64.897,-18.567) ; v1@64.81,-18.654 cw(c64.6,-18.864) 64.897,-18.864 cw(c65.194,-18.864) v1@64.984,-18.654
  Bottom Layer w0.254: v1@64.948,-18.593 85.141,-18.593 ; v1@64.984,-18.48 ccw(c65.255,-18.209) 65.255,-18.593 ; R3.1@84.807,-17.858 cw(c84.166,-18.593) 85.141,-18.593 ; R3.1@85.141,-17.475 85.141,-18.593 ; R3.1@85.475,-17.858 ccw(c86.116,-18.593) 85.141,-18.593 ; J1.7@88.816,-18.033 ccw(c88.435,-18.413) 88.435,-17.875 ccw(c88.435,-17.337) J1.7@88.816,-17.717 ; J1.7@89.424,-17.875 88.272,-17.875 87.554,-18.593 85.141,-18.593
PC9_SDIO_1: J1.8 R5.1 U1.99 | length 44.6
  Top Layer w0.254: U1.99@60.741,-28.934 64.211,-25.464 v1(64.211,-16.434) ; v1@64.124,-16.521 cw(c63.914,-16.731) 64.211,-16.731 cw(c64.508,-16.731) v1@64.298,-16.521
  Bottom Layer w0.254: v1(64.211,-16.434) 64.516,-16.129 85.141,-16.129 ; v1@64.211,-16.311 ccw(c64.211,-16.014) 64.421,-16.224 ccw(c64.631,-16.434) v1@64.334,-16.434 ; R5.1@84.782,-15.142 cw(c83.914,-16.009) 85.141,-16.009 cw(c86.367,-16.009) R5.1@85.5,-15.142 ; R5.1@85.141,-14.783 85.141,-16.129 ; J1.8@88.816,-16.933 ccw(c88.435,-17.313) 88.435,-16.775 ccw(c88.435,-16.237) J1.8@88.816,-16.617 ; J1.8@89.424,-16.775 88.276,-16.775 87.63,-16.129 85.141,-16.129
PC10_SDIO_2: J1.1 R6.1 U1.111 | length 65.3
  Top Layer w0.254: U1.111@53.316,-26.459 52.299,-25.441 52.299,-15.369 53.571,-14.097 v1@54.991,-14.097 ; 54.633,-14.097 cw(c54.633,-14.481) v1@54.904,-14.209 ; v1@58.765,-23.078 ccw(c58.555,-22.868) 58.852,-22.868 ccw(c59.149,-22.868) v1@58.939,-23.078 ; v1@58.765,-14.489 cw(c58.555,-14.699) 58.852,-14.699 cw(c59.149,-14.699) v1@58.939,-14.489 ; v1(58.852,-23.165) v1(58.852,-14.402)
  Bottom Layer w0.254: v1(54.991,-14.122) 58.572,-14.122 v1(58.852,-14.402) ; v1@55.078,-14.209 cw(c55.288,-14.419) 55.288,-14.122 cw(c55.288,-13.825) v1@55.078,-14.035 ; v1@58.729,-14.402 ccw(c58.432,-14.402) 58.642,-14.192 ccw(c58.852,-13.982) v1@58.852,-14.279 ; v1(58.852,-23.165) 62.535,-23.165 63.845,-24.475 85.166,-24.475 ; v1@58.939,-23.252 cw(c59.149,-23.462) 59.149,-23.165 cw(c59.149,-22.868) v1@58.939,-23.078 ; R6.1@84.829,-25.223 ccw(c84.167,-24.475) 85.166,-24.475 ; R6.1@85.503,-25.223 cw(c86.165,-24.475) 85.166,-24.475 ; R6.1@85.547,-25.603 85.166,-25.603 85.166,-24.475 ; J1.1@88.816,-24.633 ccw(c88.435,-25.013) 88.435,-24.475 ccw(c88.435,-23.937) J1.1@88.816,-24.317 ; J1.1@89.424,-24.475 85.166,-24.475
PC11_SDIO_3: J1.2 R7.1 U1.112 | length 65.9
  Top Layer w0.254: U1.112@52.963,-26.813 51.841,-25.691 51.841,-15.113 53.797,-13.157 v1@55.855,-13.157 ; 55.496,-13.157 cw(c55.496,-13.541) v1@55.768,-13.27 ; v1@59.73,-22.189 ccw(c59.52,-21.979) 59.817,-21.979 ccw(c60.114,-21.979) v1@59.904,-22.189 ; v1@59.73,-13.701 cw(c59.52,-13.911) 59.817,-13.911 cw(c60.114,-13.911) v1@59.904,-13.701 ; v1(59.817,-22.276) v1(59.817,-13.614)
  Bottom Layer w0.254: v1(55.855,-13.183) 59.385,-13.183 v1(59.817,-13.614) ; v1@55.942,-13.27 cw(c56.152,-13.48) 56.152,-13.183 cw(c56.152,-12.886) v1@55.942,-13.096 ; v1@59.694,-13.614 ccw(c59.397,-13.614) 59.607,-13.404 ccw(c59.817,-13.194) v1@59.817,-13.491 ; v1@59.817,-22.25 63.297,-22.25 64.948,-23.901 85.166,-23.901 ; v1@59.904,-22.363 cw(c60.175,-22.634) 60.175,-22.25 ; R7.1@84.879,-23.355 cw(c84.503,-23.901) 85.166,-23.901 ; R7.1@85.166,-22.936 85.166,-23.901 ; R7.1@85.454,-23.355 ccw(c85.829,-23.901) 85.166,-23.901 ; J1.2@88.816,-23.533 ccw(c88.435,-23.913) 88.435,-23.375 ccw(c88.435,-22.837) J1.2@88.816,-23.217 ; J1.2@89.424,-23.375 88.131,-23.375 87.605,-23.901 85.166,-23.901
PC12_SDIO_CK: J1.5 U1.113 | length 62.7
  Top Layer w0.254: U1.113@52.609,-27.166 51.384,-25.941 51.384,-14.924 53.76,-12.548 v1(56.794,-12.548) ; v1@56.707,-12.635 ccw(c56.497,-12.845) 56.497,-12.548 ccw(c56.497,-12.251) v1@56.707,-12.461 ; v1@60.543,-19.42 ccw(c60.333,-19.21) 60.63,-19.21 ccw(c60.927,-19.21) v1@60.717,-19.42 ; v1@60.543,-13.193 cw(c60.333,-13.403) 60.63,-13.403 cw(c60.927,-13.403) v1@60.717,-13.193 ; v1(60.63,-19.507) v1(60.63,-13.106)
  Bottom Layer w0.254: v1(56.794,-12.548) 60.071,-12.548 v1(60.63,-13.106) ; v1@56.881,-12.635 cw(c57.091,-12.845) 57.091,-12.548 cw(c57.091,-12.251) v1@56.881,-12.461 ; v1@60.507,-13.106 ccw(c60.21,-13.106) 60.42,-12.896 ccw(c60.63,-12.686) v1@60.63,-12.983 ; v1(60.63,-19.507) 69.469,-19.507 69.926,-19.05 86.563,-19.05 87.588,-20.075 J1.5@89.424,-20.075 ; v1@60.717,-19.594 cw(c60.927,-19.804) 60.927,-19.507 cw(c60.927,-19.21) v1@60.717,-19.42 ; J1.5@88.816,-20.233 ccw(c88.435,-20.613) 88.435,-20.075 ccw(c88.435,-19.537) J1.5@88.816,-19.917
PD2_SDIO_CMD: J1.3 R8.1 U1.116 | length 52.4
  Top Layer w0.254: v1@49.57,-21.423 cw(c49.36,-21.633) 49.657,-21.633 cw(c49.954,-21.633) v1@49.744,-21.423 ; v1(49.657,-21.336) 49.657,-26.335 U1.116@51.549,-28.227
  Bottom Layer w0.254: v1(49.657,-21.336) 87.147,-21.336 88.086,-22.275 J1.3@89.424,-22.275 ; v1@49.744,-21.423 cw(c49.954,-21.633) 49.954,-21.336 cw(c49.954,-21.039) v1@49.744,-21.249 ; R8.1@84.832,-20.576 cw(c84.191,-21.311) 85.166,-21.311 ; R8.1@85.166,-20.193 85.166,-21.311 ; R8.1@85.5,-20.576 ccw(c86.141,-21.311) 85.166,-21.311 ; J1.3@88.816,-22.433 ccw(c88.435,-22.813) 88.435,-22.275 ccw(c88.435,-21.737) J1.3@88.816,-22.117
PD5_U2_TX: U1.119 U7.11 | length 38.1
  Top Layer w0.254: v1(31.369,-42.951) 34.239,-40.081 v1(34.239,-29.921) ; v1@31.369,-42.828 ccw(c31.369,-42.531) 31.579,-42.741 ccw(c31.789,-42.951) v1@31.492,-42.951 ; v1@34.152,-30.008 cw(c33.942,-30.218) 34.239,-30.218 cw(c34.536,-30.218) v1@34.326,-30.008 ; v1@49.022,-28.317 cw(c49.022,-29.513) U1.119@49.868,-28.667 ; v1(49.022,-28.194) 49.394,-28.194 U1.119@50.488,-29.288 ; v1@49.022,-28.063 cw(c49.022,-28.646) 49.434,-28.234 ; v1@49.109,-28.281 cw(c49.319,-28.491) 49.319,-28.194 cw(c49.319,-27.897) v1@49.109,-28.107
  Bottom Layer w0.254: U7.11@31.243,-43.689 ccw(c30.94,-43.386) 31.369,-43.386 ccw(c31.798,-43.386) U7.11@31.495,-43.689 ; v1@31.282,-43.038 cw(c31.072,-43.248) 31.369,-43.248 cw(c31.666,-43.248) v1@31.456,-43.038 ; U7.11@31.369,-44.526 v1(31.369,-42.951) ; v1(34.239,-29.921) 35.966,-28.194 v1(49.022,-28.194) ; v1@34.239,-29.798 ccw(c34.239,-29.501) 34.449,-29.711 ccw(c34.659,-29.921) v1@34.362,-29.921 ; v1@48.935,-28.281 ccw(c48.725,-28.491) 48.725,-28.194 ccw(c48.725,-27.897) v1@48.935,-28.107
PD6_U2_RX: U1.122 U7.12 | length 36.4
  Top Layer w0.254: v1(30.099,-42.951) 32.969,-40.081 v1(32.969,-30.607) ; v1@30.099,-42.828 ccw(c30.099,-42.531) 30.309,-42.741 ccw(c30.519,-42.951) v1@30.222,-42.951 ; v1@32.882,-30.694 cw(c32.672,-30.904) 32.969,-30.904 cw(c33.266,-30.904) v1@33.056,-30.694 ; v1@48.579,-29.221 cw(c48.369,-29.431) 48.666,-29.431 cw(c48.963,-29.431) v1@48.753,-29.221 ; v1(48.666,-29.134) 48.666,-29.587 U1.122@49.427,-30.348
  Bottom Layer w0.254: U7.12@29.973,-43.689 ccw(c29.67,-43.386) 30.099,-43.386 ccw(c30.528,-43.386) U7.12@30.225,-43.689 ; v1@30.012,-43.038 cw(c29.802,-43.248) 30.099,-43.248 cw(c30.396,-43.248) v1@30.186,-43.038 ; U7.12@30.099,-44.526 v1(30.099,-42.951) ; v1(32.969,-30.607) 34.569,-30.607 36.043,-29.134 v1(48.666,-29.134) ; v1@33.056,-30.694 cw(c33.266,-30.904) 33.266,-30.607 cw(c33.266,-30.31) v1@33.056,-30.52 ; v1@48.579,-29.221 ccw(c48.369,-29.431) 48.369,-29.134 ccw(c48.369,-28.837) v1@48.579,-29.047
PD8_RS485_TX2: U1.77 U12.4 | length 18.2
  Top Layer w0.254: U1.77@68.519,-36.712 69.647,-35.585 v1(69.647,-35.204) ; v1@69.56,-35.291 cw(c69.35,-35.501) 69.647,-35.501 cw(c69.944,-35.501) v1@69.734,-35.291
  Bottom Layer w0.254: v1@69.647,-35.327 cw(c69.647,-35.624) 69.857,-35.414 cw(c70.067,-35.204) v1@69.77,-35.204 ; v1(69.647,-35.204) 73.482,-39.04 U12.4@82.448,-39.04 ; U12.4@82.287,-39.201 ccw(c81.897,-39.592) 81.897,-39.04 ccw(c81.897,-38.488) U12.4@82.287,-38.878
PD9_RS485_RX2: U1.78 U12.1 | length 25.5
  Top Layer w0.254: v1(66.98,-37.49) 67.034,-37.49 U1.78@68.166,-36.359 ; v1@66.98,-37.367 ccw(c66.98,-36.94) 67.282,-37.242
  Bottom Layer w0.254: v1@66.98,-37.613 cw(c66.98,-37.91) 67.19,-37.7 cw(c67.4,-37.49) v1@67.103,-37.49 ; v1(66.98,-37.49) 70.358,-40.869 85.776,-40.869 86.258,-40.386 U12.1@86.258,-39.04 ; U12.1@86.097,-39.862 cw(c85.707,-40.252) 86.258,-40.252 cw(c86.81,-40.252) U12.1@86.42,-39.862
PD10_RS485_RE2: U1.79 U12.2 U12.3 | length 24.6
  Top Layer w0.254: U1.79@67.812,-36.005 68.656,-35.161 68.656,-34.798 v1(69.444,-34.011) ; v1@69.321,-34.011 cw(c69.024,-34.011) 69.234,-34.221 cw(c69.444,-34.431) v1@69.444,-34.134
  Bottom Layer w0.254: v1(69.444,-34.011) 70.028,-34.011 73.533,-37.516 83.464,-37.516 83.718,-37.77 U12.3@83.718,-39.04 U12.2@84.988,-39.04 ; v1@69.531,-34.098 cw(c69.741,-34.308) 69.741,-34.011 cw(c69.741,-33.714) v1@69.531,-33.924 ; U12.3@83.557,-38.218 ccw(c83.167,-37.828) 83.718,-37.828 ccw(c84.27,-37.828) U12.3@83.88,-38.218 ; U12.3@83.88,-39.201 cw(c84.27,-39.592) 84.27,-39.04 cw(c84.27,-38.488) U12.3@83.88,-38.878 ; U12.2@84.827,-39.201 ccw(c84.437,-39.592) 84.437,-39.04 ccw(c84.437,-38.488) U12.2@84.827,-38.878
POWER_ADC: U1.27 U11.1 U11.2 | length 34.4
  Top Layer w0.254: v7@49.697,-53.634 ccw(c49.487,-53.424) 49.784,-53.424 ccw(c50.081,-53.424) v7@49.871,-53.634 ; v7(49.784,-53.721) 49.784,-51.912 U1.27@50.842,-50.854
  Bottom Layer w0.254: U11.1@25.4,-57.836 U11.2@26.67,-57.836 26.67,-54.381 27.33,-53.721 v7(49.784,-53.721) ; U11.1@25.526,-57.962 cw(c25.829,-58.265) 25.829,-57.836 cw(c25.829,-57.407) U11.1@25.526,-57.71 ; U11.2@26.544,-57.962 ccw(c26.241,-58.265) 26.241,-57.836 ccw(c26.241,-57.407) U11.2@26.544,-57.71 ; U11.2@26.544,-56.999 ccw(c26.241,-56.695) 26.67,-56.695 ccw(c27.099,-56.695) U11.2@26.796,-56.999 ; v7@49.697,-53.808 ccw(c49.487,-54.018) 49.487,-53.721 ccw(c49.487,-53.424) v7@49.697,-53.634
PWM1: P8.4 U1.81 | length 47.7
  Top Layer w0.254: U1.81@67.105,-35.298 72.161,-30.242 72.161,-11.096 74.698,-8.56 80.721,-8.56 82.093,-7.188 82.093,-2.921 P8.4@80.823,-1.651 ; P8.4@80.823,-2.274 cw(c80.823,-3.778) 81.886,-2.715 cw(c82.95,-1.651) P8.4@81.446,-1.651 ; P8.4@80.823,-2.02 cw(c80.823,-2.911) 81.453,-2.281 cw(c82.083,-1.651) P8.4@81.192,-1.651
PWM2: P8.3 U1.82 | length 43.2
  Top Layer w0.254: U1.82@66.751,-34.944 71.704,-29.992 71.704,-10.907 74.534,-8.077 79.4,-8.077 80.823,-6.655 P8.3@80.823,-4.191 ; P8.3@80.382,-4.632 cw(c79.319,-5.695) 80.823,-5.695 cw(c82.327,-5.695) P8.3@81.263,-4.632 ; P8.3@80.562,-4.452 cw(c79.932,-5.082) 80.823,-5.082 cw(c81.714,-5.082) P8.3@81.084,-4.452
PWM3: P8.2 U1.85 | length 44.6
  Top Layer w0.254: U1.85@65.691,-33.884 71.158,-28.416 71.158,-10.807 74.395,-7.569 78.334,-7.569 79.553,-6.35 79.553,-2.921 P8.2@78.283,-1.651 ; P8.2@78.283,-2.274 cw(c78.283,-3.778) 79.346,-2.715 cw(c80.41,-1.651) P8.2@78.906,-1.651 ; P8.2@78.283,-2.02 cw(c78.283,-2.911) 78.913,-2.281 cw(c79.543,-1.651) P8.2@78.652,-1.651
PWM4: P8.1 U1.86 | length 40.3
  Top Layer w0.254: U1.86@65.337,-33.53 70.701,-28.167 70.701,-10.617 74.206,-7.112 77.292,-7.112 78.283,-6.121 P8.1@78.283,-4.191 ; P8.1@77.842,-4.632 cw(c76.779,-5.695) 78.283,-5.695 cw(c79.787,-5.695) P8.1@78.723,-4.632 ; P8.1@78.022,-4.452 cw(c77.392,-5.082) 78.283,-5.082 cw(c79.174,-5.082) P8.1@78.544,-4.452
QYG_KC1: P7.32 U1.90 | length 36.9
  Top Layer w0.254: U1.90@63.923,-32.116 68.872,-27.167 68.872,-8.233 68.58,-7.941 68.58,-2.946 P7.32@67.285,-1.651 ; P7.32@67.285,-2.274 cw(c67.285,-3.778) 68.348,-2.715 cw(c69.412,-1.651) P7.32@67.908,-1.651 ; P7.32@67.285,-2.02 cw(c67.285,-2.911) 67.915,-2.281 cw(c68.544,-1.651) P7.32@67.654,-1.651